# Altium PCB Tigershark 3D R2.4 - TR.PcbDoc (part 2 of 4) (continued)
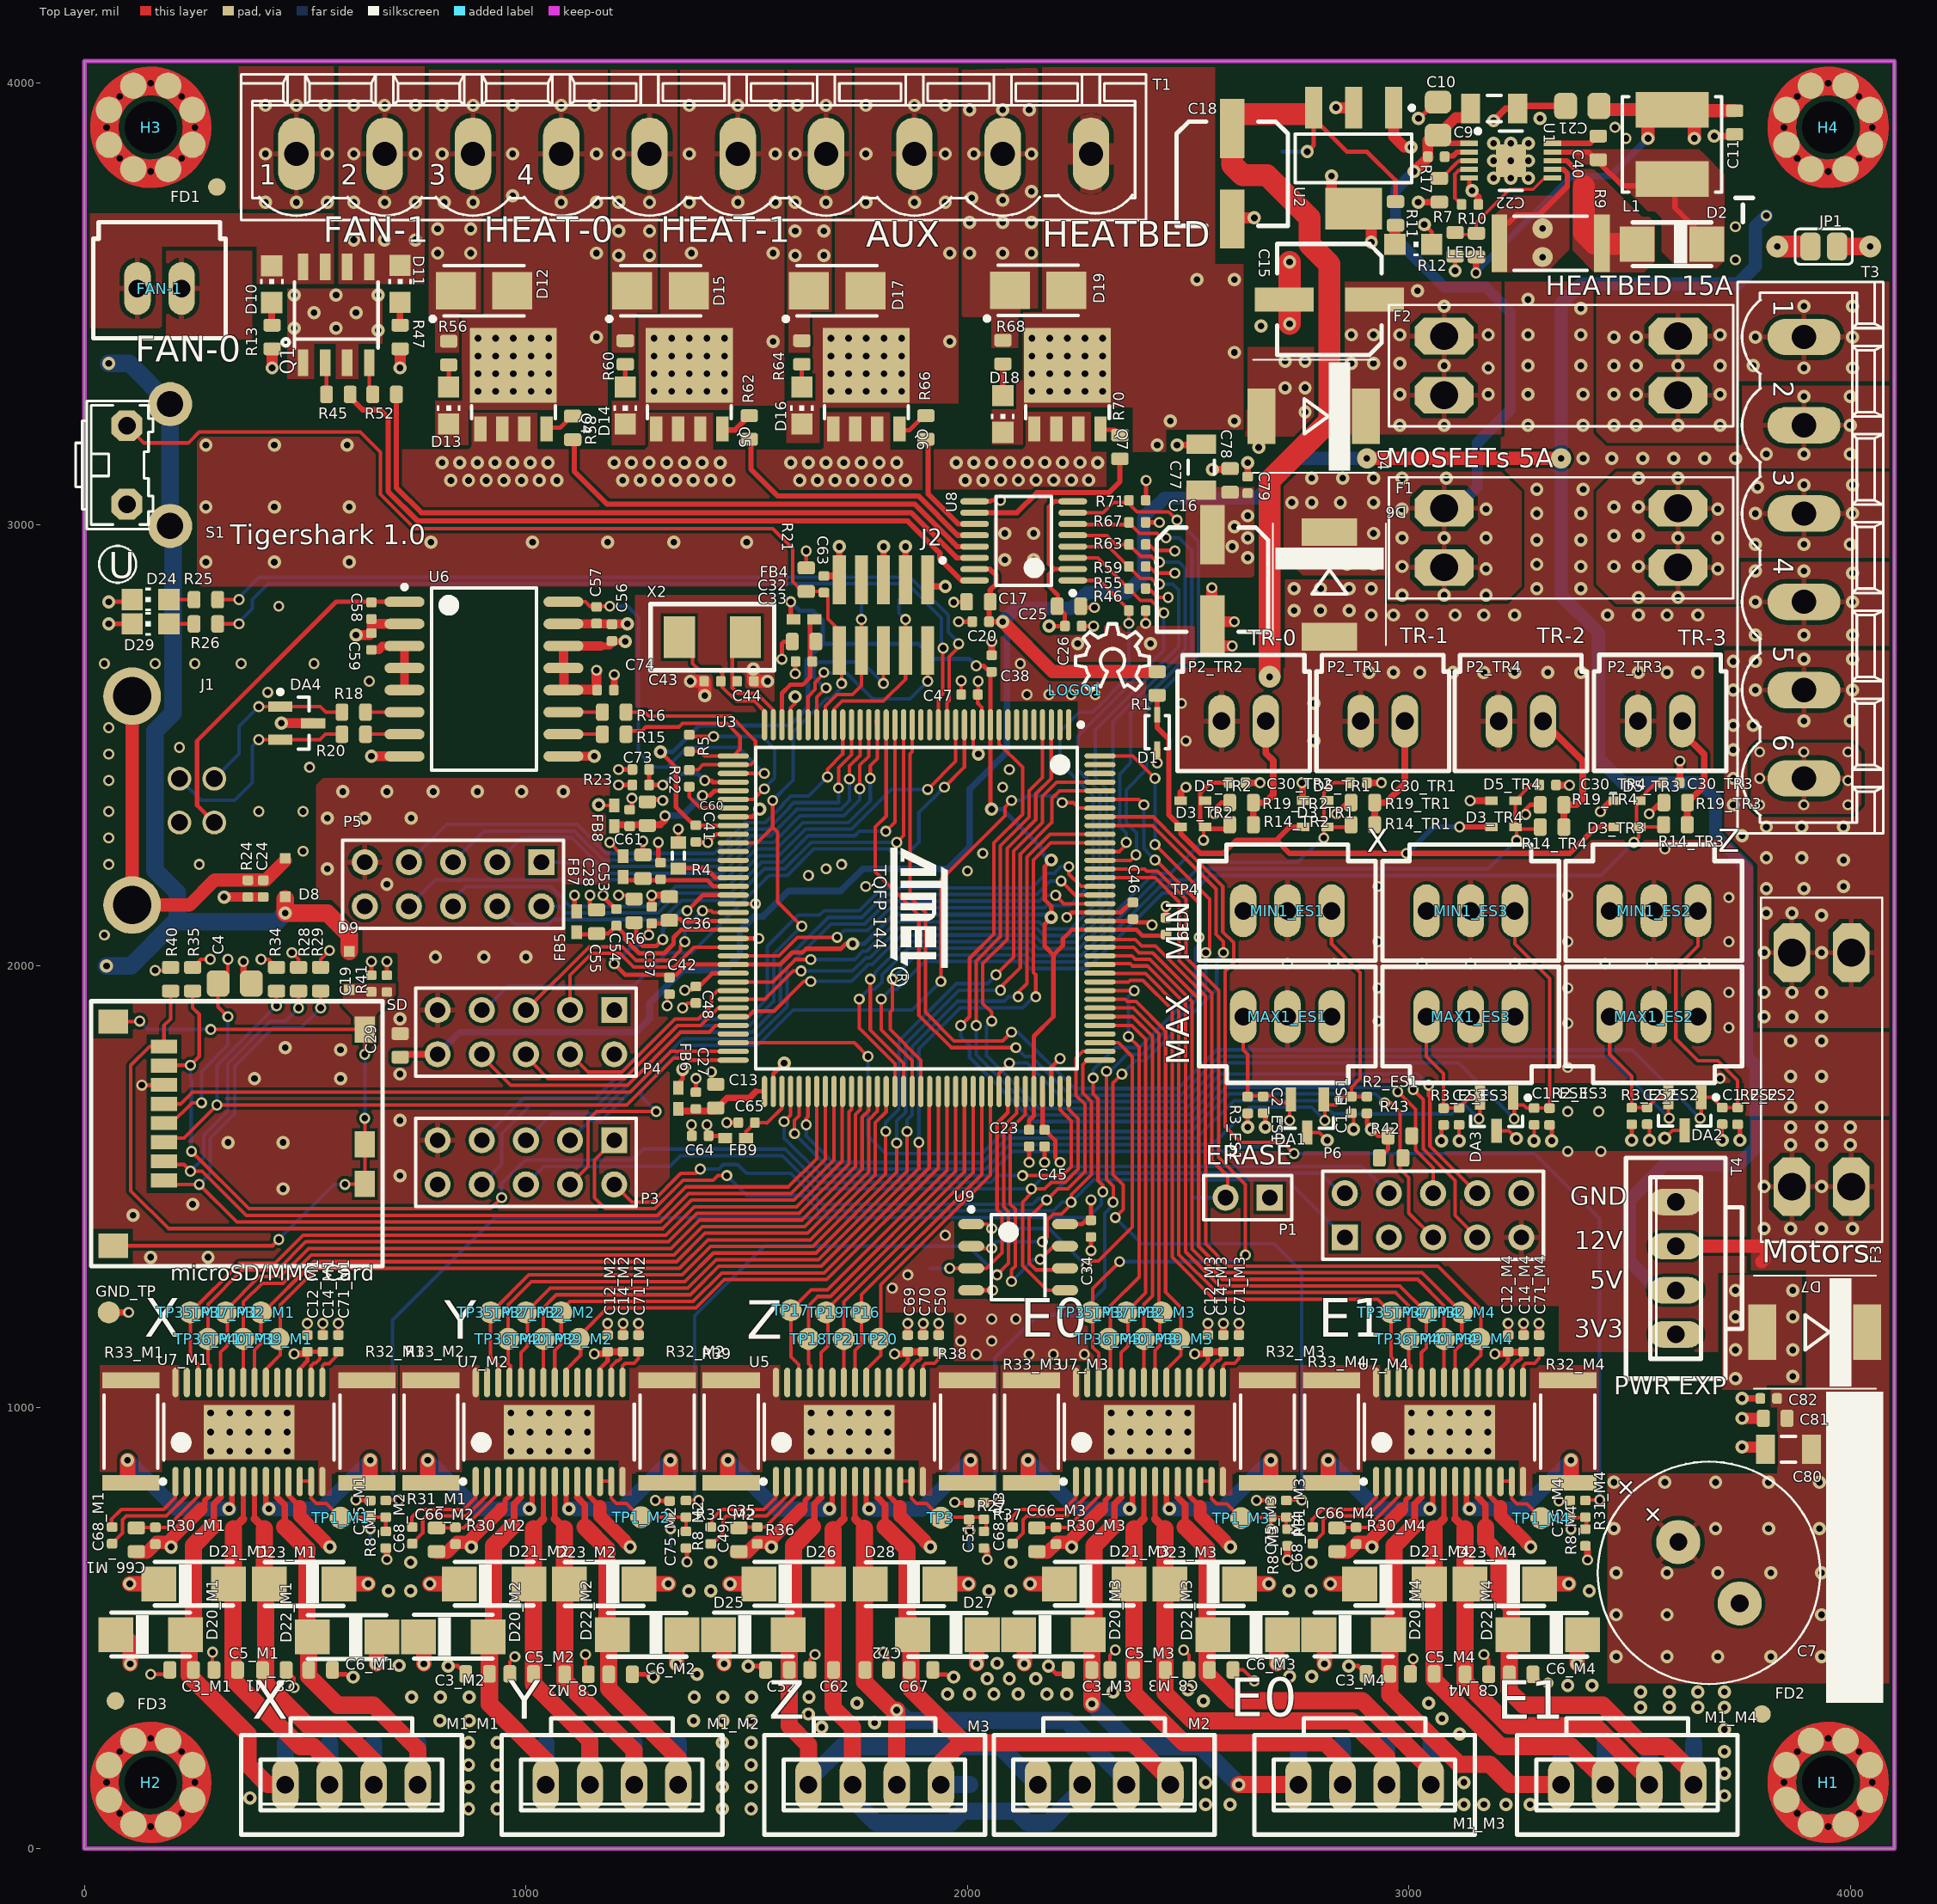
[diagram p0: Top Layer view]
## Nets (pads, with @x,y where several pads share a name; then routed paths per layer and width w, separated by ;. In a path a pad name is that pad's centre, name@x,y a point inside that pad or via, vN(x,y) a via of type N, cw(c..) or ccw(c..) an arc to the next point about the centre after c; other vN are vias at no path point) (continued)
+12VCC2: C9.1 C10.1 C16.1 C77.1 C78.1 C79.2 D6.C D12.2 D15.2 D17.2 F1.2 FAN-1.1 R13.2 R17.2 R47.2 R56.2 R60.2 R64.2 T1.1 T1.3 T1.5 T1.7 TP51.1 U1.1 | length 1340.5
  Top Layer w12: C10.1@3083.68,3872.95 3092.83,3863.8 U1.1@3136.83,3863.8
  Top Layer w24: R17.2@3043.31,3833.43 C10.1@3043.31,3871.02 ; C10.1@3062.31,3890.02 3073.97,3890.02 3106.37,3922.43 C9.1@3120.15,3922.43
  Top Layer w25: v1(425,3355) R13.2@425,3398.23 ; T1.1@480,3810 T1.1@495,3795 ; v1(715,3355) R47.2@715,3398.23 ; v1(3012,3800) 3043.31,3831.31 R17.2@3043.31,3833.43
  Bottom Layer w25: v1(3012,3800) 2970,3758 2970,3648.58 3080.58,3538 3173.75,3538 3230,3481.75 3230,3260 3155,3185 3155,3085 3107,3037 F1.2@3080,3037
  other v1: 2985,2840 3080,2840 3175,2840 3175,2900 2985,2905 2860,2910 2920,2910 2785,2915 2635,2925 2600,2950 2635,2970 2985,2970 3080,2970 3175,2970 2920,2980 2605,2995 2635,3020 2985,3035 3175,3035 2735,3050 2780,3050 2845,3050 2920,3050 2780,3105 2850,3105 2920,3105 2985,3105 3085,3105 1210,3610 1280,3610 1610,3610 1675,3610 800,3615 875,3615 1210,3665 1280,3665 1610,3665 1675,3665 800,3670 875,3670 410,3730 480,3730 550,3730 815,3730 880,3730 1210,3730 1280,3730 1610,3730 1680,3730 410,3840 550,3840 810,3840 1210,3840 1610,3840 410,3950 480,3950 545,3950 810,3950 880,3950 1615,3950 1680,3950
+12VCC3: C15.1 D4.C D19.2 F2.2 R68.2 T1.9 TP49.1
  other v1: 2980,3225 3080,3225 2980,3295 3180,3295 3180,3355 3080,3360 2870,3365 2920,3365 2980,3365 2870,3430 2920,3430 2980,3430 3180,3430 2665,3450 3080,3495 3020,3530 2005,3615 2080,3615 2145,3615 2005,3685 2080,3685 2145,3685 2080,3735 2010,3740 2145,3755 2015,3840 2145,3840 2005,3940 2080,3940 2140,3940
AVREF: C65.1 FB9.2 U3.75 | length 157
  Top Layer w8: FB9.2@1498.62,1610 1498.62,1624.92 C65.1@1518.7,1645 1545.24,1645 1546.24,1644 1579.88,1677.64 U3.75@1579.88,1715.75
BED_PWM: R71.2 TP38.1 U3.132 U8.7 | length 1207.4
  Top Layer w8: U8.7@2238.78,3026.98 2306.98,3026.98 2330,3050 R71.2@2358.23,3050 ; U3.132@2300.35,2239.37 2369.62,2239.37 v2(2381.89,2251.64) ; R71.2@2366,3055 2366,3047.22 2384.72,3028.5 2456.5,3028.5 v2(2475,3010)
  Bottom Layer w8: v2(2381.89,2251.64) 2383.5,2253.25 2383.5,2301.5 2360,2325 2360,2399.09 2406,2445.09 2406,2587.36 2523.5,2704.86 2523.5,2961.5 v2(2475,3010) v2@2472,3010
DIR1: TP39_M1.1 U3.87 U7_M1.20 | length 1857.7
  Top Layer w8: U7_M1.20@410.88,1057.2 410.88,1085.88 443.72,1118.72 443.72,1232.5 526.21,1315 1347.72,1315 1412.19,1379.47 1644.18,1379.47 1791.5,1526.79 1791.5,1644.73 1816.1,1669.34 U3.87@1816.1,1715.75
DIR2: TP39_M2.1 U3.93 U7_M2.20 | length 1233.2
  Top Layer w8: U7_M2.20@1090.88,1084.88 1123.72,1117.72 1123.72,1163.72 1185,1225 1385,1225 1449.47,1289.47 1681.46,1289.47 1934.21,1542.23 U3.93@1934.21,1715.75
DIR3: TP39_M3.1 U3.116 U7_M3.20 | length 974.3
  Top Layer w8: U3.116@2300.35,1924.41 2357.8,1924.41 2362.48,1919.72 2382.15,1919.72 2449,1852.87 2449,1261 2483.72,1226.28 2483.72,1117.72 U7_M3.20@2450.88,1084.88
DIR4: TP39_M4.1 U3.123 U7_M4.20 | length 1690.7
  Top Layer w8: U3.123@2300.35,2062.2 2302.56,2060 2380,2060 2395,2045 2426.07,2045 2539,1932.07 2539,1553.57 2540,1552.57 2540,1370 2590,1320 3065.61,1320 3163.72,1221.89 3163.72,1117.72 U7_M4.20@3130.88,1084.88
DIR_EXP1: P4.4 U3.64 | length 466.3
  Top Layer w8: P4.4@1100,1780 1120,1780 1140.53,1759.47 1216.79,1759.47 1217.31,1760 1217.57,1760 1337.57,1880 1390,1880 1408.21,1898.21 ; 1408.21,1898.26 1420,1910.04 1420,1930 1434.09,1944.09 U3.64@1469.65,1944.09
DIR_EXP2: P4.3 U3.59 | length 520.5
  Top Layer w8: P4.3@1100,1880 P4.3@1100,1900 1100,1978.79 1149.71,2028.5 1212.66,2028.5 1243.66,1997.5 1335.73,1997.5 1380.75,2042.52 U3.59@1469.65,2042.52
DIR_Z: TP20.1 U3.99 U5.20 | length 747.3
  Top Layer w8: U5.20@1771.14,1084.88 1803.98,1117.72 1803.98,1277.76 2052.32,1526.11 U3.99@2052.32,1715.75
EN1: TP32_M1.1 U3.86 U7_M1.21 | length 1860.2
  Top Layer w8: U7_M1.21@385.29,1057.2 385.29,1129.68 400,1144.39 400,1210 520,1330 1341.51,1330 1405.98,1394.47 1637.96,1394.47 1776.5,1533.01 1776.5,1650.95 1796.42,1670.86 U3.86@1796.42,1715.75
EN2: TP32_M2.1 U3.92 U7_M2.21 | length 1310.5
  Top Layer w8: U7_M2.21@1065.29,1056.2 1065.29,1128.68 1080,1143.39 1080,1220 1100,1240 1378.79,1240 1443.26,1304.47 1675.24,1304.47 1913.5,1542.73 1913.5,1714.72 U3.92@1914.53,1715.75
EN3: TP32_M3.1 U3.115 U7_M3.21 | length 953.4
  Top Layer w8: U3.115@2300.35,1904.72 2375.94,1904.72 2434,1846.66 2434,1221 2436,1219 2436,1140.09 2425.29,1129.37 U7_M3.21@2425.29,1056.2
EN4: TP32_M4.1 U3.122 U7_M4.21 | length 1655.7
  Top Layer w8: U3.122@2300.35,2042.52 2376.27,2042.52 2388.79,2030 2419.85,2030 2524,1925.85 2524,1364.79 2583.79,1305 3029.69,1305 TP32_M4.1@3119.69,1215 ; U7_M4.21@3105.29,1056.2 3105.29,1128.68 3120,1143.39 TP32_M4.1@3120,1215
EN_EXP1: P4.6 U3.66 | length 550.8
  Top Layer w8: P4.6@1000,1780 1015,1780 1050.53,1744.47 1223,1744.47 1223.53,1745 1223.79,1745 1343.79,1865 1396.21,1865 1423.21,1892 ; 1423.21,1892.04 1435.9,1904.72 U3.66@1469.65,1904.72
EN_EXP2: P4.5 U3.55 | length 633.5
  Top Layer w8: P4.5@1000,1880 P4.5@1000,1900 1143.5,2043.5 1218.87,2043.5 1249.87,2012.5 1327.5,2012.5 1350.5,2035.5 1350.5,2045.5 v2(1360,2055) ; v2(1400,2125) 1420,2125 1423.74,2121.26 U3.55@1469.65,2121.26
  Bottom Layer w8: v2(1360,2055) 1360,2085 v2(1400,2125)
EN_Z: TP16.1 U3.98 U5.21 | length 778.5
  Top Layer w8: U5.21@1745.55,1056.2 1745.55,1128.68 1760.26,1143.39 1760.26,1255.26 2032.64,1527.64 U3.98@2032.64,1715.75
ERASE: P1.2 TP55.1 U3.130 | length 998
  Top Layer w8: U3.130@2300.35,2200 2425,2200 2480,2145 2480,2012.28 2554,1938.28 2554,1559.79 2590,1523.79 P1.2@2590,1465
  Bottom Layer w8: TP55.1@2515,1475 P1.2@2585,1475
EXP_CS1: P6.3
EXP_CS2: P3.4 U3.138 | length 1860.8
  Top Layer w8: P3.4@1100,1505 1140.53,1545.53 1140.53,1650.53 1160,1670 v2(1295,1670) ; v2(1940,1965) 1940,2195 2085,2340 2085,2360 v2(2100,2375) ; v2(2215,2370) 2240,2370 2252.52,2357.48 U3.138@2300.35,2357.48
  Bottom Layer w8: v2(1295,1670) 1261.08,1703.92 1261.08,1718.92 1362.17,1820 1525,1820 1605,1900 1875,1900 v2(1940,1965) ; v2(2100,2375) 2125,2375 2135,2385 2200,2385 v2(2215,2370)
FET_PWM1: R46.2 TP43.1 U3.60 U8.1 | length 1769.2
  Top Layer w8: U3.60@1469.65,2022.83 1572.83,2022.83 1615,2065 v2(1705,2065) ; U8.1@2238.78,2873.43 2299.22,2873.43 2366,2806.66 v2(2366,2776)
  Bottom Layer w8: v2(1705,2065) 1720,2080 1773.64,2080 1825.64,2132 2175.23,2132 2179.73,2136.5 2231.5,2136.5 2285,2190 2285,2385 TP43.1@2210,2460 2210,2530.91 2254.09,2575 2283.79,2575 2366,2657.21 v2(2366,2776)
FET_PWM2: R55.2 TP44.1 U3.63 U8.3 | length 1930.1
  Top Layer w8: U3.63@1469.65,1963.78 1559.03,1963.78 1609.72,2014.46 v2(1645,2014.46) ; U8.3@2238.78,2924.61 2295.39,2924.61 2392,2828 2416.88,2828 2444.88,2800 v2(2445,2800)
  Bottom Layer w8: v2(1645,2014.46) 1744.46,2014.46 1763.35,2033.35 1772.25,2033.35 1838.89,2100 2163.23,2100 2179.23,2084 2234,2084 2300,2150 2300,2395 2250,2445 TP44.1@2250,2520 2445,2715 v2(2445,2800)
FET_PWM3: R59.2 TP45.1 U3.65 U8.4 | length 2028.6
  Top Layer w8: U3.65@1469.65,1924.41 1540.88,1924.41 1604.97,1988.5 v2(1623.25,1988.5) ; U8.4@2238.78,2950.2 2238.98,2950 2320,2950 2392,2878 2416.88,2878 2425.9,2868.98 2425.9,2865 v2(2435,2865)
  Bottom Layer w8: v2(1623.25,1988.5) 1739.71,1988.5 1769.57,2018.35 1778.46,2018.35 1845.11,2085 2157.02,2085 2173.02,2069 2240.21,2069 2315,2143.79 2315,2401.21 2290,2426.21 TP45.1@2290,2460 2290,2535 2478.5,2723.5 2478.5,2851.5 2465,2865 v2(2435,2865)
FET_PWM4: R63.2 TP46.1 U3.67 U8.5 | length 2097.7
  Top Layer w8: U3.67@1469.65,1885.04 1503.4,1885.04 1516.08,1897.72 1562.72,1897.72 1630,1965 v2(1645,1965) ; U8.5@2238.78,2975.8 2239.58,2975 2316.21,2975 2336.21,2955 R63.2@2366,2955 2393,2928 2416.88,2928 2425.9,2918.98 2425.9,2915 v2(2435,2915)
  Bottom Layer w8: v2(1645,1965) 1737.43,1965 1775.78,2003.35 1784.68,2003.35 1851.32,2070 2150.8,2070 2166.8,2054 2246.43,2054 2330,2137.57 TP46.1@2330,2520 2330,2553.79 2493.5,2717.29 2493.5,2901.5 2480,2915 v2(2435,2915)
FET_PWM5: R67.2 TP47.1 U3.133 U8.6 | length 1101.9
  Top Layer w8: U8.6@2238.78,3001.39 2240.17,3000 R67.2@2365,3000 ; U3.133@2300.35,2259.06 2344.06,2259.06 2360,2275 v2(2360,2280) ; R67.2@2366,3004 2390,2980 2429.51,2980 2439.64,2969.87 v2(2450.13,2969.87)
  Bottom Layer w8: v2(2360,2280) 2360,2300.91 2345,2315.91 2345,2435 TP47.1@2370,2460 2370,2572.57 2508.5,2711.07 2508.5,2941.5 2480.13,2969.87 v2(2450.13,2969.87)
FGND: D8.C D9.C H1.1 H2.1 H3.1 H4.1 JP1.1 S1.3 S1.4 | length 2148.9
  Top Layer w40: D8.C@455,2151.69 v1(455,2120) 550,2120 600,2070 D9.C@600,2033.31 ; JP1.1@3970,3630 v4(4045,3630)
  Bottom Layer w40: v1(50,2000) 105,2000 205,2100 435,2100 v1(455,2120) ; v1(55,3365) 102,3365 S1.3@194,3273 S1.4@194,2997 200.25,2990.75 200.25,2572.95 160,2532.7 160,2216.4 210,2166.4 210,2105
FN1: D11.C Q1.5 T1.2 TP42.1
  other v1: 610,3645 680,3645 750,3645 610,3730 680,3730 750,3730 610,3840 750,3840 610,3950 680,3950 750,3950
GND: C1_ES1.1 C1_ES2.1 C1_ES3.1 C2_ES1.1 C2_ES2.1 C2_ES3.1 C3_M1.2 C3_M2.2 C3_M3.2 C3_M4.2 C4.2 C5_M1.2 C5_M2.2 C5_M3.2 C5_M4.2 C6_M1.2 C6_M2.2 C6_M3.2 C6_M4.2 C7.2 C8_M1.1 C8_M2.1 C8_M3.1 C8_M4.1 C9.2 C10.2 C11.2 C12_M1.1 C12_M2.1 C12_M3.1 C12_M4.1 C13.1 C14_M1.1 C14_M2.1 C14_M3.1 C14_M4.1 C15.2 C16.2 C17.1 C18.2 C19.2 C20.1 C21.2 C22.2 C23.2 C25.1 C26.1 C27.2 C28.1 C29.1 C30_TR1.2 C30_TR2.2 C30_TR3.2 C30_TR4.2 C32.1 C33.2 C34.2 C36.1 C37.2 C38.2 C39.2 C41.2 C42.2 C43.1 C44.1 C45.2 C46.2 C47.2 C48.2 C50.1 C51.1 C52.2 C53.2 C54.2 C55.1 C56.2 C57.2 C60.1 C61.2 C62.2 C63.1 C64.2 C65.2 C67.2 C69.1 C70.1 C71_M1.1 C71_M2.1 C71_M3.1 C71_M4.1 C72.1 C73.1 C74.2 C75_M1.1 C75_M2.1 C75_M3.1 C75_M4.1 C77.2 C78.2 C79.1 C80.2 C81.2 C82.1 D1.1 D4.A D5_TR1.A D5_TR2.A D5_TR3.A D5_TR4.A D6.A D7.A D20_M1.C D20_M2.C D20_M3.C D20_M4.C D21_M1.C D21_M2.C D21_M3.C D21_M4.C D22_M1.C D22_M2.C D22_M3.C D22_M4.C D23_M1.C D23_M2.C D23_M3.C D23_M4.C D24.C D25.C D26.C D27.C D28.C D29.C DA1.3 DA2.3 DA3.3 GND_TP.1 J2.3 J2.5 J2.9 JP1.2 LED1.C MAX1_ES1.2 MAX1_ES2.2 MAX1_ES3.2 MIN1_ES1.2 MIN1_ES2.2 MIN1_ES3.2 P2_TR1.2 P2_TR2.2 P2_TR3.2 P2_TR4.2 P3.9 P4.9 P5.9 P6.9 Q1.1 Q1.3 Q4.1 Q4.2 Q4.3 Q5.1 Q5.2 Q5.3 Q6.1 Q6.2 Q6.3 Q7.1 Q7.2 Q7.3 R4.2 R8_M1.2 R8_M2.2 R8_M3.2 R8_M4.2 R9.1 R12.2 R23.1 R27.2 R32_M1.1 R32_M2.1 R32_M3.1 R32_M4.1 R33_M1.1 R33_M2.1 R33_M3.1 R33_M4.1 R38.1 R39.1 R41.1 R46.1 R55.1 R59.1 R63.1 R67.1 R71.1 S1.2 SD.6 T3.2 T3.4 T3.6 T4.4 U1.5 U1.7 U1.11 U2.2 U2.4 U3.12 U3.33 U3.44 U3.46 U3.54 U3.58 U3.74 U3.106 U3.126 U5.14 U5.28 U5.29 U6.9 U6.15 U7_M1.14 U7_M1.28 U7_M1.29 U7_M2.14 U7_M2.28 U7_M2.29 U7_M3.14 U7_M3.28 U7_M3.29 U7_M4.14 U7_M4.28 U7_M4.29 U8.9 U9.4 | length 8390.1
  Top Layer w8: v2(150,395) 183.23,395 C3_M1.2@193.23,405 ; v2(290,445) 290,408.23 C5_M1.2@293.23,405 ; C8_M1.1@456.77,405 475,386.77 v2(475,365) ; C5_M2.2@963.72,396 963.72,423.72 v2(975,435) ; v2(1135,440) 1135,401.26 C8_M2.1@1141.26,395 ; v2(1320,1910) C42.2@1320,1941 ; v2(1355,1905) 1366,1916 C48.2@1385,1916 ; U3.54@1469.65,2140.94 v2(1520,2140.94) ; U3.33@1599.57,2546.46 1599.57,2584.57 1610,2595 v1(1610,2610) ; C62.2@1643.23,405 1643.23,428.23 v2(1655,440) ; J2.5@1805,2869.92 J2.5@1810,2874.92 ; v2(1810,445) 1821.77,433.23 C72.1@1821.77,405 ; C47.2@1986,2615 v2(1986,2646) ; U3.12@2012.95,2546.46 2012.95,2492.05 v1(2025,2480) ; C5_M3.2@2323.23,405 2323.23,438.23 v2(2335,450) ; R55.1@2403.9,2855 2411.09,2855 2431.09,2835 v2(2455,2835) ; R59.1@2403.9,2905 2411.77,2905 2426.77,2890 v2(2470,2890) ; R63.1@2403.9,2955 2411.77,2955 2425.27,2941.5 2468.5,2941.5 v2(2470,2940) ; v2(2490,450) 2501.77,438.23 C8_M3.1@2501.77,405 ; C6_M3.2@2601.77,405 2625,405 v2(2650,380) ; DA1.3@2770,1622.6 2797.4,1622.6 v1(2815,1605) ; C1_ES1.1@2870,1666.3 2875,1661.3 v1(2875,1630) ; C5_M4.2@3003.72,396 3010,402.28 v2(3010,430) ; v1(3113.9,1603.9) C2_ES3.1@3113.9,1640.2 ; v2(3170,440) 3181.26,428.74 C8_M4.1@3181.26,395 ; DA3.3@3198.9,1626.5 3226.3,1626.5 v1(3243.9,1608.9) ; C6_M4.2@3281.26,395 3301.26,375 v2(3315,375) ; v1(3283.9,1603.9) C1_ES3.1@3283.9,1640.2 ; C2_ES2.1@3540,1641.3 3545,1636.3 v1(3545,1605) ; v1(3580,1610) 3597.6,1627.6 DA2.3@3625,1627.6 ; v1(3710,1605) C1_ES2.1@3710,1641.3
  Top Layer w10: v1(55,2775) D29.C@108,2775 ; v1(55,2825) 103,2825 D24.C@108,2830 ; v2(130,1730) 179.45,1730 SD.6@180,1730.55 ; C4.2@360,1978 C4.2@378,1960 ; C12_M1.1@505,1158.7 v2(505,1190) ; C14_M1.1@540,1158.7 v2(540,1190) ; C6_M1.2@561.26,395 592.49,395 v1@608.75,378.74 ; C71_M1.1@575,1158.7 v2(575,1190) ; v2(615,790) 616.3,788.7 C75_M1.1@647.49,788.7 ; C19.2@650,1979 v2(650,2010) ; R41.1@685,1978.9 v2(685,2010) ; v1(823.75,413.74) 845.98,413.74 C3_M2.2@863.72,396 ; C55.1@1145,2126.77 v2(1145,2160) ; v2@1175,2156.82 C54.2@1202.82,2129 ; v2(1210,2410) R23.1@1241.1,2410 ; v2(1210,2445) C73.1@1241.3,2445 ; C61.2@1230,2349 1240,2359 v2(1240,2380) ; C6_M2.2@1241.26,395 1272.49,395 v1@1288.75,378.74 ; C28.1@1265,2251.77 v2(1265,2283) ; C60.1@1275,2376.77 v2@1310,2376.77 ; v2@1294.3,787.7 C75_M2.1@1325.49,787.7 ; v2(1300,2280) 1300,2239 C53.2@1305,2234 ; R4.2@1345,2279.53 v2(1345,2310) ; v2(1365,649.81) R8_M2.2@1365,681 ; v2(1375,1640) 1375,1616 C64.2@1376,1615 ; C41.2@1383.53,2279.53 1384,2280 v2(1412,2280) 1430.43,2298.43 U3.46@1469.65,2298.43 ; C27.2@1385,1714 v2(1385,1745) ; C13.1@1420,1722.87 v2(1420,1760) ; v2(1455,1645) C65.2@1481,1645 ; U3.58@1469.65,2062.2 v2(1527.2,2062.2) ; U3.44@1469.65,2337.8 1512.8,2337.8 v1@1526.69,2351.69 ; v1(1503.78,413.71) 1526.01,413.71 C52.2@1543.75,395.97 ; U3.74@1560.2,1715.75 1560.2,1755.2 v1(1585,1780) ; v2(1580,2695) 1580,2730 1585,2735 C32.1@1603.23,2735 ; C32.1@1599.11,2734.11 C32.1@1606.61,2726.61 ; v2(1610,2662) 1610,2689 C33.2@1611,2690 ; C67.2@1921.29,394.97 1952.52,394.97 v1@1968.78,378.71 ; v2(1969,2824) 1997.23,2824 C17.1@1998.23,2825 ; v2@1972.56,783.44 C51.1@2003.75,783.44 ; v2(1980,2780) C20.1@2011.3,2780 ; U9.4@2008.7,1265 v2(2057.4,1265) ; U8.9@2016.34,3052.57 2052.57,3052.57 2055,3055 v2(2075,3055) ; v2(2140,1555) C23.2@2140,1591 ; v2(2175,1555) C45.2@2175,1591 ; v1(2183.75,413.74) 2201.49,396 C3_M3.2@2223.72,396 ; U3.106@2190.12,1715.75 2190.12,1770.12 v2(2210,1790) ; v2(2225,2110) 2236.26,2121.26 U3.126@2300.35,2121.26 2347.56,2121.26 C46.2@2370,2143.7 ; C25.1@2256.77,2815 2259.77,2812 v2(2288,2812) ; C26.1@2258.7,2770 v2(2286,2770) ; v2(2280,1355) C34.2@2280,1386 ; R46.1@2403.9,2805 2404,2804.9 v2(2404,2776) ; R67.1@2403.9,3005 v2(2435,3005) ; R71.1@2403.9,3055 2405,3056.1 v2(2405,3100) ; C39.2@2450,2109 v2(2450,2135) ; C16.2@2550,2725 C16.2@2550,2772.64 ; C16.2@2554,2797 2550,2793 C16.2@2550,2772.64 ; C16.2@2557.36,2780 C16.2@2550,2772.64 ; C18.2@2600,3692.64 C18.2@2602.36,3695 ; v2(2655,789) v2@2656.3,787.7 ; v2@2656.3,788.7 C75_M3.1@2687.49,788.7 ; C2_ES1.1@2670,1666.3 2675,1661.3 v1(2675,1635) ; 2825,3765.83 U2.4@2875,3715.83 ; v1(2835,3945) v1@2835.83,3944.17 ; v1(2863.75,413.74) 2885.98,413.74 C3_M4.2@2903.72,396 ; v1(3022,3920) 3023.68,3920 3063.68,3960 C10.2@3066.18,3957.49 ; v1(3035,3680) 3052,3663 LED1.C@3052,3635 ; v1(3105,3575) R12.2@3105,3608.23 ; v1@3136.83,3762.91 U1.5@3136.83,3785.06 ; v2(3340,787.7) C75_M4.1@3365,787.7 ; C11.2@3738,3876 C11.2@3738,3884.23
  Top Layer w12: 3224.95,3683 3243.36,3701.41 3294.42,3701.41 3358.88,3765.87 3358.88,3796.35 3350.49,3804.74 U1.7@3325.8,3804.74
  Top Layer w15: GND_TP.1@55,1215 v2(100,1215) ; C4.2@360,1978 v2(360,2010) ; R8_M1.2@682.49,681 685,678.49 v2(685,655) ; v2@1175,2156.82 v2(1175,2160) ; C12_M2.1@1185,1158.7 v2(1185,1190) ; C74.2@1200,2629 v2(1200,2660) ; C54.2@1202.82,2129 C54.2@1205,2129 ; C14_M2.1@1220,1158.7 v2(1220,1190) ; C71_M2.1@1255,1158.7 v2(1255,1190) ; C37.2@1285,2134 v2(1285,2160) 1321.77,2160 C36.1@1325,2156.77 ; v1@1526.69,2351.69 v1(1530,2355) ; C63.1@1675,2883.7 J2.9@1701.22,2883.7 ; J2.9@1710,2875.08 v1(1710,2950) ; J2.5@1810,2875.08 v1(1810,2950) ; J2.3@1860,2875.08 v1(1860,2950) ; C69.1@1865,1163.7 v2(1865,1190) ; C70.1@1900,1163.7 v2(1900,1190) ; C50.1@1935,1163.7 v2(1935,1190) ; R27.2@2042.52,680.97 2045.03,678.46 v2(2045.03,654.97) ; C38.2@2055,2708.7 v2(2055,2735) ; v2(2430,2460) D1.1@2430,2490.63 ; v1(2475,3180) 2527.83,3180 C77.2@2530,3182.17 ; D5_TR2.A@2483.44,2374.57 2483.44,2393.44 v2(2495,2405) ; D5_TR2.A@2484.43,2374.57 D5_TR2.A@2485,2375.15 ; C12_M3.1@2545,1163.7 v2(2545,1190) ; v1(2555,3125) 2593.23,3125 C78.2@2595,3126.77 ; C14_M3.1@2580,1163.7 v2(2580,1190) ; C71_M3.1@2615,1163.7 v2(2615,1190) ; C30_TR2.2@2630,2415.05 v2(2663.05,2415.05) ; C79.1@2635,3108.7 v1(2635,3140) ; R8_M3.2@2722.49,680 2725,677.49 v2(2725,654) ; v2(2758.05,2415.05) 2759.43,2413.67 D5_TR1.A@2759.43,2374.57 ; C30_TR1.2@2905,2415.05 v2(2938.05,2415.05) ; v1@3136.83,3762.91 3157.31,3742.43 C22.2@3157.31,3725.43 ; v2(3139.06,2374.53) D5_TR4.A@3187.95,2374.53 ; v1(3192,3915) 3219.43,3942.43 C9.2@3246.46,3942.43 ; C12_M4.1@3225,1163.7 v2(3225,1190) ; C9.2@3252.46,3948.43 C21.2@3355.31,3948.43 ; C14_M4.1@3260,1163.7 v2(3260,1190) ; C71_M4.1@3295,1163.7 v2(3295,1190) ; C30_TR4.2@3333.53,2410 3334,2409.53 v2(3364.06,2409.53) ; R8_M4.2@3402.49,680 3405,677.49 v2(3405,654) ; v2(3434.06,2349.53) 3459.06,2374.53 D5_TR3.A@3467.95,2374.53 ; C30_TR3.2@3613.53,2415 3614.06,2415.53 v2(3614.06,2464.53) ; v1(3692,3880) 3733.77,3880 C11.2@3738,3884.23 ; v1(3755,1020) C82.1@3796.3,1020
  Top Layer w20: U6.9@1085.12,2475 v1(1155,2475) ; U6.15@1085.12,2775 v1(1230,2775)
  Top Layer w25: C16.2@2550,2725 v2(2600,2725) ; C16.2@2554,2797 v2(2554,2857) ; C16.2@2557.36,2780 v2(2605,2780) ; C18.2@2602.36,3695 v1(2650,3695) ; 2825,3765.83 v1(2825,3790) ; v1@2835.83,3944.17 U2.2@2875,3944.17 ; v1(2915,3640) 2915,3664.17 ; v1(3755,910) C80.2@3802.83,910 ; v1(3755,975) C81.2@3803.23,975
  Top Layer w30: v1(1372.43,2645) C43.1@1403.73,2645 ; v1(1405,2612.43) C43.1@1405,2643.73 ; C44.1@1515,2650 v1(1515,2672.57) ; C44.1@1516.27,2645 v1(1547.57,2645)
  Top Layer w35: D20_M1.C@88.75,485 103.75,470 v1(103.75,418.74) ; v1(102.49,600) D21_M1.C@168.75,600 ; D23_M1.C@576.23,600 v1(642.49,600) ; v1(661.23,418.74) D22_M1.C@661.23,485 ; v1(768.75,418.74) D20_M2.C@768.75,485 ; v1(782.49,600) D21_M2.C@848.75,600 ; D23_M2.C@1256.23,600 v1(1322.49,600) ; v1(1341.23,418.74) D22_M2.C@1341.23,485 ; v1(1448.78,418.71) D25.C@1448.78,484.97 ; v1(1462.52,599.97) D26.C@1528.78,599.97 ; D28.C@1936.26,599.97 v1(2002.52,599.97) ; v1(2021.26,418.71) D27.C@2021.26,484.97 ; v1(2128.75,418.74) D20_M3.C@2128.75,485 ; v1(2142.49,600) D21_M3.C@2208.75,600 ; D23_M3.C@2616.23,600 v1(2682.49,600) ; v1(2701.23,418.74) D22_M3.C@2701.23,485 ; v1(2808.75,418.74) D20_M4.C@2808.75,485 ; v1(2822.49,600) D21_M4.C@2888.75,600 ; D23_M4.C@3296.23,600 v1(3362.49,600) ; v1(3381.23,418.74) D22_M4.C@3381.23,485
  Top Layer w50: v1(2730,3455) v1(2730,3595) ; v4(3835,3630) JP1.2@3905,3630
  other v1: 608.75,388.74 1288.75,388.74 1968.78,388.71 3740,1065 3870,1070 3740,1130 3870,1130 3740,1205 3870,1205 3740,1265 3870,1265 150,1340 280,1340 110,1435 245,1460 450,1495 715,1525 325,1600 450,1600 715,1650 3865,1680 3935,1680 385,1745 580,1745 3865,1750 3935,1750 715,1755 580,1810 455,1815 3865,1830 3935,1830 715,1880 795,2020 905,2020 1000,2020 685,2185 550,2220 550,2335 635,2335 740,2335 585,2395 685,2395 790,2395 890,2395 990,2395 1085,2395 2785,2510 2785,2595 2910,2665 2965,2665 3025,2665 3100,2665 3170,2665 3240,2665 3315,2665 3390,2665 3520,2665 3585,2665 3655,2665 2250,2730 2415,2730 3785,2750 3895,2750 4005,2750 2915,2795 2965,2795 3030,2795 3105,2795 3170,2795 3240,2795 3450,2795 3520,2795 3585,2795 3655,2795 2740,2805 2800,2805 2865,2805 3785,2825 4005,2825 2740,2855 2800,2855 2865,2855 2915,2855 3290,2855 3390,2855 4005,2890 3785,2895 3895,2895 3390,2905 3290,2910 275,2915 430,2915 600,2915 2085,2920 2150,2920 785,2960 1015,2960 1185,2960 1335,2960 1500,2960 3290,2965 3390,2965 2085,2980 2150,2980 3290,3025 3390,3025 275,3040 430,3040 600,3040 3290,3080 3395,3080 830,3100 870,3100 910,3100 950,3100 990,3100 1030,3100 1070,3100 1219,3100.42 1259,3100.42 1299,3100.42 1339,3100.42 1379,3100.42 1419,3100.42 1460,3100 1620,3100 1660,3100 1700,3100 1740,3100 1780,3100 1820,3100 1860,3100 1995,3100 2035,3100 2075.5,3100.81 2115.5,3100.81 2155.5,3100.81 2195.5,3100.81 2235.5,3100.81 2275,3100.81 810,3140 850,3140 890,3140 930,3140 970,3140 1010,3140 1050,3140 1200,3140 1239,3140.42 1279,3140.42 1319,3140.42 1359,3140.42 1399,3140.42 1440,3140 1600,3140 1640,3140 1680,3140 1720,3140 1760,3140 1800,3140 1840,3140 1975,3140 2015,3140 2055,3140 2295,3140 2095.5,3140.81 2135.5,3140.81 2175.5,3140.81 2215.5,3140.81 2255.5,3140.81 3395,3150 3460,3150 3530,3150 3600,3150 3670,3150 3740,3150 3810,3160 3895,3160 4000,3160 2660,3175 275,3180 430,3180 595,3180 3270,3225 3395,3225 4000,3225 2765,3255 3895,3290 4000,3290 3270,3295 3395,3295 2720,3310 2765,3310 3270,3360 3390,3360 2720,3370 2765,3370 3270,3430 3390,3430 665,3440 475,3445 570,3445 520,3480 615,3480 3390,3490 3270,3510 475,3520 570,3520 665,3520 3143.31,3756.43 3191.94,3785.06 3231.31,3785.06 3270.68,3785.06 3191.94,3824.43 3231.31,3824.43 3270.68,3824.43 3191.94,3863.8 3231.31,3863.8 3270.68,3863.8 3297,3920
  other v2: 1971.26,784.74 1293,789 285.88,900.69 329.18,900.69 372.49,900.69 415.8,900.69 459.1,900.69 965.88,900.69 1009.18,900.69 1052.49,900.69 1095.8,900.69 1139.1,900.69 1646.14,900.69 1689.44,900.69 1732.75,900.69 1776.06,900.69 1819.36,900.69 2325.88,900.69 2369.18,900.69 2412.49,900.69 2455.8,900.69 2499.1,900.69 3005.88,900.69 3049.18,900.69 3092.49,900.69 3135.8,900.69 3179.1,900.69 285.88,944 329.18,944 372.49,944 415.8,944 459.1,944 965.88,944 1009.18,944 1052.49,944 1095.8,944 1139.1,944 1646.14,944 1689.44,944 1732.75,944 1776.06,944 1819.36,944 2325.88,944 2369.18,944 2412.49,944 2455.8,944 2499.1,944 3005.88,944 3049.18,944 3092.49,944 3135.8,944 3179.1,944 285.88,987.31 329.18,987.31 372.49,987.31 415.8,987.31 459.1,987.31 965.88,987.31 1009.18,987.31 1052.49,987.31 1095.8,987.31 1139.1,987.31 1646.14,987.31 1689.44,987.31 1732.75,987.31 1776.06,987.31 1819.36,987.31 2325.88,987.31 2369.18,987.31 2412.49,987.31 2455.8,987.31 2499.1,987.31 3005.88,987.31 3049.18,987.31 3092.49,987.31 3135.8,987.31 3179.1,987.31 2020,1120 2140,1120 2195,1120 2265,1120 1985,1150 2055,1150 1985,1200 2055,1200 2110,1200 1830,1270 1865,1300 1950,1390 3360,1580 3435,1580 3360,1670 3430,1670 3705,1745 3360,1770 3725,1860 3360,1870 2930,1875 3725,1940 2930,1950 3360,1950 2725,2005 2830,2005 3030,2005 3140,2005 3240,2005 3445,2005 3550,2005 3670,2005 2930,2055 3360,2055 3725,2055 3725,2155 3360,2160 1770,2180 2930,2180 1640,2205 2000,2215 1680,2220 1715,2230 2035,2255 3580,2265 3795,2365 3895,2365 3995,2365 1310,2375 2080,2405 3995,2420 3795,2425 2095,2445 3795,2485 3895,2485 3995,2485 2495,2510 2485,2595 2135,2615 2185,2615 2235,2615 2290,2615 2120,2685 3740,3600 3740,3675 3492,3875 3467,3900
  other v3: 3303,3606 3303,3671
GPIO_P_0: U3.1
GPIO_P_1: U3.6
GPIO_P_2: U3.8
GPIO_P_3: U3.5
GPIO_P_4: U3.2
GPIO_P_5: U3.7
HOLD#: TP30.1 U3.103 U9.7 | length 592.3
  Top Layer w8: v2(2100,1285) 2100,1311.44 2108.5,1319.94 2108.5,1448.93 2097.32,1460.1 2097.32,1629.95 2131.06,1663.69 U3.103@2131.06,1715.75 ; v2(2165,1335) 2195,1365 U9.7@2206.3,1365
  Bottom Layer w8: v2(2100,1285) 2150,1335 v2(2165,1335)
HTBD: D18.C D19.1 Q7.MB T1.10 TP14.1
  other v1: 2430,3180 2460,3235 2605,3235 2146.5,3302.03 2186.5,3302.03 2226.5,3302.03 2266.5,3302.03 2306.5,3302.03 2146.5,3342.03 2186.5,3342.03 2226.5,3342.03 2266.5,3342.03 2306.5,3342.03 2146.5,3382.03 2186.5,3382.03 2226.5,3382.03 2266.5,3382.03 2306.5,3382.03 2605,3390 2146.5,3422.03 2186.5,3422.03 2226.5,3422.03 2266.5,3422.03 2306.5,3422.03 2520,3555 2605,3555
HTR0: D12.1 D13.C Q4.MB T1.4 TP11.1
  other v1: 891.5,3302.03 931.5,3302.03 971.5,3302.03 1011.5,3302.03 1051.5,3302.03 891.5,3342.03 931.5,3342.03 971.5,3342.03 1011.5,3342.03 1051.5,3342.03 891.5,3382.03 931.5,3382.03 971.5,3382.03 1011.5,3382.03 1051.5,3382.03 891.5,3422.03 931.5,3422.03 971.5,3422.03 1011.5,3422.03 1051.5,3422.03 1160,3425 1160,3615 1080,3730 1160,3730 970,3745 970,3840 1160,3840 970,3950 1080,3950 1155,3950
HTR1: D14.C D15.1 Q5.MB T1.6 TP12.1
  other v1: 1290,3302.03 1330,3302.03 1370,3302.03 1410,3302.03 1450,3302.03 1290,3342.03 1330,3342.03 1370,3342.03 1410,3342.03 1450,3342.03 1290,3382.03 1330,3382.03 1370,3382.03 1410,3382.03 1450,3382.03 1560,3415 1290,3422.03 1330,3422.03 1370,3422.03 1410,3422.03 1450,3422.03 1375,3615 1560,3615 1370,3730 1480,3730 1565,3730 1370,3840 1565,3840 1370,3950 1480,3950 1565,3950
HTRA: D16.C D17.1 Q6.MB T1.8 TP13.1
  other v1: 1691,3302.03 1731,3302.03 1771,3302.03 1811,3302.03 1851,3302.03 1691,3342.03 1731,3342.03 1771,3342.03 1811,3342.03 1851,3342.03 1691,3382.03 1731,3382.03 1771,3382.03 1811,3382.03 1851,3382.03 1960,3415 1691,3422.03 1731,3422.03 1771,3422.03 1811,3422.03 1851,3422.03 1960,3615 1770,3730 1880,3730 1950,3730 1770,3840 1950,3840 1770,3950 1880,3950 1950,3950
I2C_SCL: P6.5 R42.2 U3.70 | length 2108.2
  Top Layer w8: U3.70@1469.65,1825.98 1744.02,1825.98 v2(1775,1795) ; v2(2945,1690) 2960,1690 2980,1670 2980,1540 3000,1520 3000,1440 P6.5@3055,1385
  Bottom Layer w8: v2(1775,1795) 1775,1615 1814.86,1575.14 2033.27,1575.14 2083.13,1625 2507.28,1625 2592.28,1710 2925,1710 v2(2945,1690)
I2C_SDA: P6.6 R43.2 U3.9 | length 2176.6
  Top Layer w8: v2(1985,1865) 2005,1885 2005,2017.43 2060,2072.43 2060,2278.64 2125,2343.64 2125,2450 2072.01,2502.99 U3.9@2072.01,2546.46 ; v2(2975,1715) 3015,1675 3015,1582.57 3055,1542.57 P6.6@3055,1485
  Bottom Layer w8: v2(1985,1865) 1985,1840 2005,1820 2005,1792.57 2150.12,1647.45 2508.52,1647.45 2586.07,1725 2965,1725 v2(2975,1715) v2@2975,1710
INPUT_GND: C24.1 C58.2 C59.2 DA4.3 J1.4 R24.1 U6.2 U6.8 | length 368.9
  Top Layer w22: v1(316.1,2156.1) C24.1@405,2156.1 ; v1(445.88,2550) DA4.3@518.28,2550 ; v1(615,2750) 646.3,2750 650,2753.7 650,2775 U6.2@724.88,2775 ; v1(650,2475) U6.8@724.88,2475
  other v2: 45,2070 55,2230 260,2230 495,2260 55,2290 55,2350 395,2350 495,2350 55,2420 510,2450 55,2480 215,2495 55,2540 415,2620 645,2645 45,2685 160,2685 250,2685 355,2685 520,2685 440,2815
MAX_ES1: C2_ES1.2 DA1.2 MAX1_ES1.1 R3_ES1.1 TP10_ES1.1 U3.76 | length 1684.6
  Top Layer w8: v2(1585,1647.5) 1599.57,1662.07 U3.76@1599.57,1715.75 ; MAX1_ES1.1@2625,1885 2625,1810 2635,1800 2635,1705 2690,1705 2705,1690 2725.2,1690 DA1.2@2732.6,1697.4 2730,1694.8 v2(2730,1650)
  Bottom Layer w8: v2(1585,1647.5) 1585,1610.27 1670.27,1525 2047.43,1525 2102.43,1580 2610,1580 2620,1590 2675,1590 v2@2732.5,1647.5